# Altium PCB FMC_DAC_125M_14B_16CHA.PcbDoc (part 8 of 9) (continued)
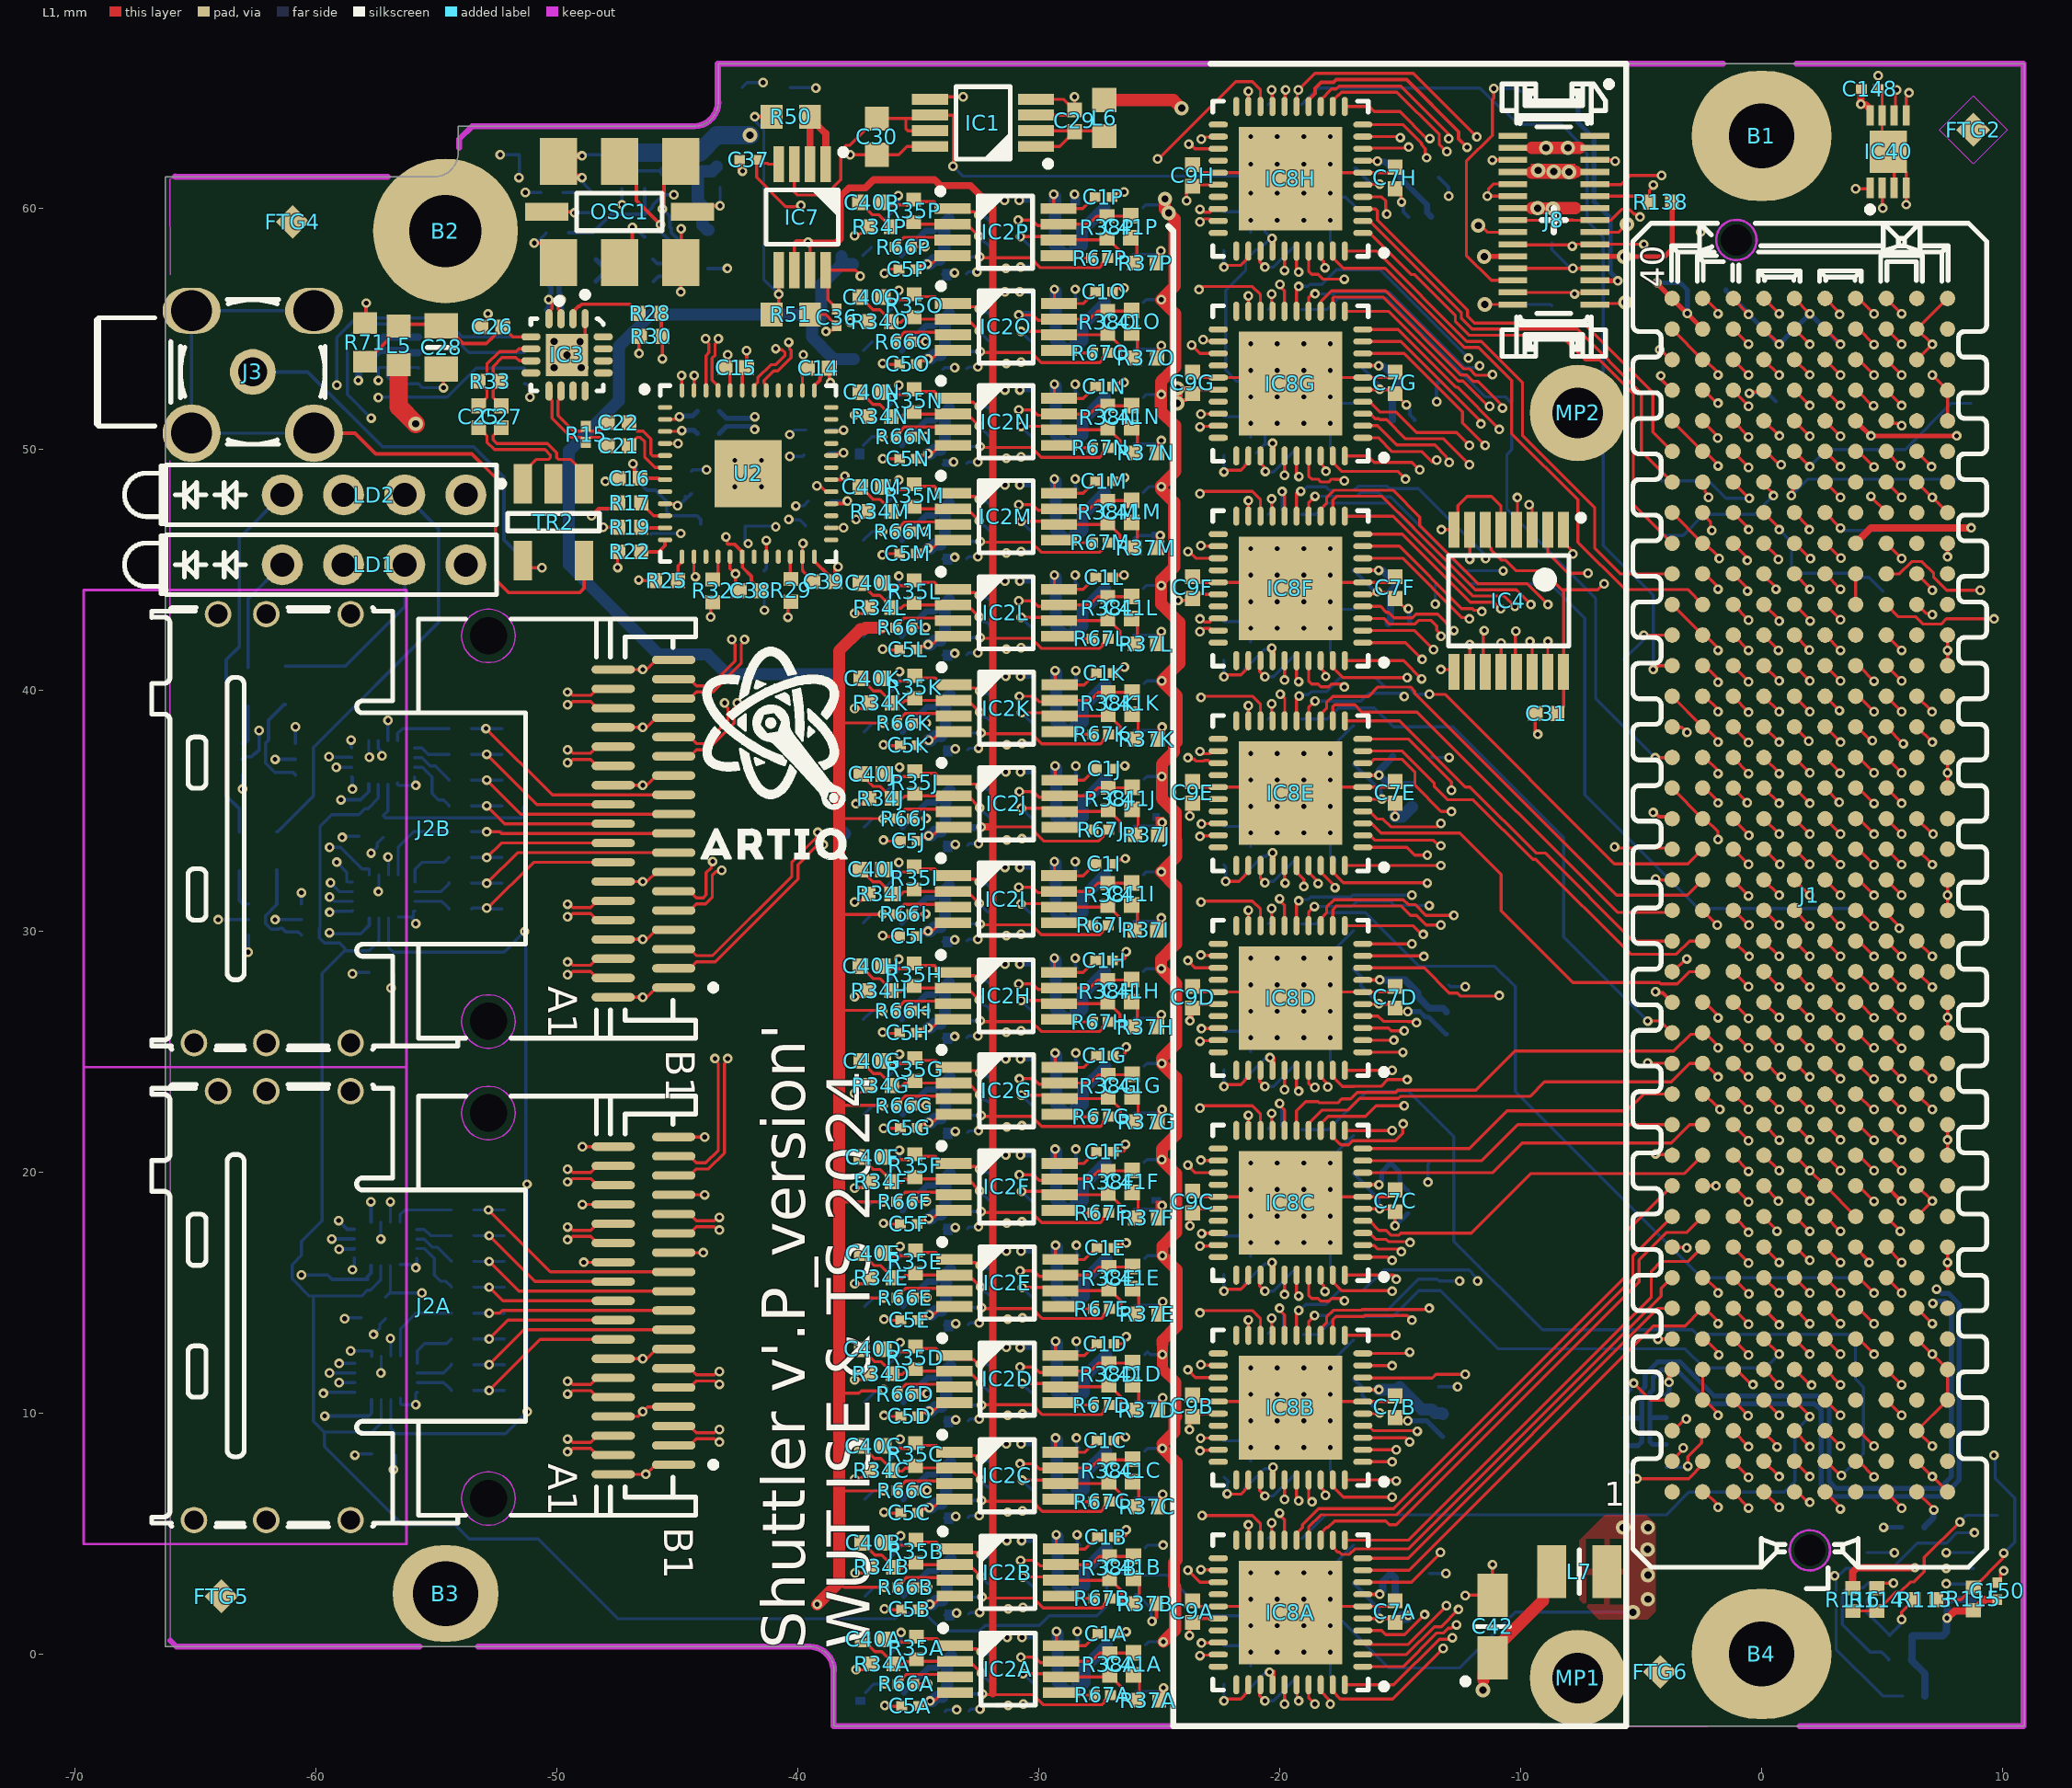
[diagram p0: L1 view]
## Nets (pads, with @x,y where several pads share a name; then routed paths per layer and width w, separated by ;. In a path a pad name is that pad's centre, name@x,y a point inside that pad or via, vN(x,y) a via of type N, cw(c..) or ccw(c..) an arc to the next point about the centre after c; other vN are vias at no path point) (continued)
NetIC2H_5: IC2H.5 R67H.2 | length 1.4
  L1 w0.127: IC2H.5@-29.099,26.309 -29.023,26.233 R67H.2@-27.779,26.233
NetIC2I_3: IC2I.3 R66I.2 | length 2.1
  L1 w0.127: R66I.2@-35.932,30.703 -35.912,30.703 -35.765,30.85 -35.765,30.919 -35.581,31.104 -34.199,31.104 IC2I.3@-34.052,30.957
NetIC2I_5: IC2I.5 R67I.2 | length 1.4
  L1 w0.127: IC2I.5@-29.099,30.322 -29.023,30.246 R67I.2@-27.779,30.246
NetIC2J_3: IC2J.3 R66J.2 | length 2.1
  L1 w0.127: R66J.2@-35.906,34.666 -35.886,34.666 -35.74,34.812 -35.74,34.882 -35.555,35.066 -34.174,35.066 IC2J.3@-34.027,34.92
NetIC2J_5: IC2J.5 R67J.2 | length 1.4
  L1 w0.127: IC2J.5@-29.074,34.285 -28.998,34.209 R67J.2@-27.753,34.209
NetIC2K_3: IC2K.3 R66K.2 | length 2.1
  L1 w0.127: R66K.2@-35.906,38.628 -35.886,38.628 -35.74,38.775 -35.74,38.844 -35.555,39.029 -34.174,39.029 IC2K.3@-34.027,38.882
NetIC2K_5: IC2K.5 R67K.2 | length 1.4
  L1 w0.127: IC2K.5@-29.074,38.247 -28.998,38.171 R67K.2@-27.753,38.171
NetIC2L_3: IC2L.3 R66L.2 | length 2.1
  L1 w0.127: R66L.2@-35.932,42.591 -35.912,42.591 -35.765,42.737 -35.765,42.807 -35.581,42.991 -34.199,42.991 IC2L.3@-34.052,42.845
NetIC2L_5: IC2L.5 R67L.2 | length 1.4
  L1 w0.127: IC2L.5@-29.099,42.21 -29.023,42.133 R67L.2@-27.779,42.133
NetIC2M_3: IC2M.3 R66M.2 | length 2.1
  L1 w0.127: R66M.2@-35.932,46.578 -35.912,46.578 -35.765,46.725 -35.765,46.794 -35.581,46.979 -34.199,46.979 IC2M.3@-34.052,46.832
NetIC2M_5: IC2M.5 R67M.2 | length 1.4
  L1 w0.127: IC2M.5@-29.099,46.197 -29.023,46.121 R67M.2@-27.779,46.121
NetIC2N_3: IC2N.3 R66N.2 | length 2.1
  L1 w0.127: R66N.2@-35.932,50.515 -35.912,50.515 -35.765,50.662 -35.765,50.731 -35.581,50.916 -34.199,50.916 IC2N.3@-34.052,50.769
NetIC2N_5: IC2N.5 R67N.2 | length 1.4
  L1 w0.127: IC2N.5@-29.099,50.134 -29.023,50.058 R67N.2@-27.779,50.058
NetIC2O_3: IC2O.3 R66O.2 | length 2.1
  L1 w0.127: R66O.2@-35.932,54.453 -35.912,54.453 -35.765,54.599 -35.765,54.669 -35.581,54.853 -34.199,54.853 IC2O.3@-34.052,54.707
NetIC2O_5: IC2O.5 R67O.2 | length 1.4
  L1 w0.127: IC2O.5@-29.099,54.072 -29.023,53.995 R67O.2@-27.779,53.995
NetIC2P_3: IC2P.3 R66P.2 | length 2.1
  L1 w0.127: R66P.2@-35.957,58.39 -35.937,58.39 -35.791,58.536 -35.791,58.606 -35.606,58.79 -34.224,58.79 IC2P.3@-34.078,58.644
NetIC2P_5: IC2P.5 R67P.2 | length 1.4
  L1 w0.127: IC2P.5@-29.125,58.009 -29.049,57.932 R67P.2@-27.804,57.932
NetIC3_2: IC3.2 R28.2 | length 3.3
  L1 w0.145: IC3.2@-49.331,55.414 -49.331,55.706 -49.111,55.926 -49.064,55.926 -48.976,56.013 -46.987,56.013 -46.845,55.871 -46.825,55.871 -46.607,55.654 R28.2@-46.607,55.634
NetIC5A_12: IC5A.12 R43A.2 | length 3.5
  L8 w0.127: IC5A.12@-56.492,12.357 -56.492,13.494 -55.846,14.14 R43A.2@-54.385,14.14
NetIC5A_13: IC5A.13 R42A.2 | length 2.1
  L8 w0.127: IC5A.13@-55.792,12.057 -55.792,12.581 -55.493,12.88 -54.577,12.88 R42A.2@-54.385,13.071
NetIC5A_14: IC5A.14 R41A.2 | length 1.6
  L8 w0.127: IC5A.14@-55.792,11.657 -54.711,11.657 -54.385,11.983 R41A.2@-54.385,12.003 R41A.2@-54.385,12.023
NetIC5A_15: IC5A.15 R40A.2 | length 1.6
  L8 w0.127: IC5A.15@-55.792,11.257 -54.708,11.257 -54.631,11.18 -54.611,11.18 -54.385,10.954 R40A.2@-54.385,10.934
NetIC5B_12: IC5B.12 R43B.2 | length 3.5
  L8 w0.127: IC5B.12@-56.592,32.336 -56.592,33.473 -55.946,34.119 R43B.2@-54.485,34.119
NetIC5B_13: IC5B.13 R42B.2 | length 2.1
  L8 w0.127: IC5B.13@-55.892,32.036 -55.892,32.56 -55.593,32.859 -54.677,32.859 R42B.2@-54.485,33.051
NetIC5B_14: IC5B.14 R41B.2 | length 1.6
  L8 w0.127: IC5B.14@-55.892,31.636 -54.811,31.636 -54.485,31.962 R41B.2@-54.485,31.982 R41B.2@-54.485,32.002
NetIC5B_15: IC5B.15 R40B.2 | length 1.6
  L8 w0.127: IC5B.15@-55.892,31.236 -54.808,31.236 -54.731,31.16 -54.711,31.16 -54.485,30.933 R40B.2@-54.485,30.913
NetIC6A_12: IC6A.12 R47A.2 | length 2.5
  L8 w0.127: IC6A.12@-56.514,17.921 -56.514,18.221 -56.307,18.427 R47A.2@-54.385,18.427
NetIC6A_13: IC6A.13 R46A.2 | length 1.5
  L8 w0.127: IC6A.13@-55.814,17.621 -55.503,17.621 -55.24,17.358 R46A.2@-54.385,17.358
NetIC6A_14: IC6A.14 R45A.2 | length 1.8
  L8 w0.127: IC6A.14@-55.814,17.221 -55.503,17.221 -55.16,16.878 -54.954,16.878 R45A.2@-54.416,16.341 ; R45A.2@-54.416,16.321 R45A.2@-54.416,16.341 ; R45A.2@-54.385,16.289 -54.385,16.309 R45A.2@-54.416,16.341
NetIC6A_15: IC6A.15 R44A.2 | length 2.5
  L8 w0.127: IC6A.15@-55.814,16.821 -55.496,16.821 -55.089,16.414 -55.089,15.728 -54.827,15.467 -54.611,15.467 -54.385,15.241 R44A.2@-54.385,15.221
NetIC6B_12: IC6B.12 R47B.2 | length 2.5
  L8 w0.127: IC6B.12@-56.614,37.9 -56.614,38.2 -56.407,38.406 R47B.2@-54.485,38.406
NetIC6B_13: IC6B.13 R46B.2 | length 1.5
  L8 w0.127: IC6B.13@-55.914,37.6 -55.603,37.6 -55.34,37.337 R46B.2@-54.485,37.337
NetIC6B_14: IC6B.14 R45B.2 | length 1.8
  L8 w0.127: IC6B.14@-55.914,37.2 -55.603,37.2 -55.26,36.858 -55.054,36.858 R45B.2@-54.516,36.32 ; R45B.2@-54.516,36.3 R45B.2@-54.516,36.32 ; R45B.2@-54.485,36.269 -54.485,36.289 R45B.2@-54.516,36.32
NetIC6B_15: IC6B.15 R44B.2 | length 2.5
  L8 w0.127: IC6B.15@-55.914,36.8 -55.596,36.8 -55.189,36.393 -55.189,35.707 -54.927,35.446 -54.711,35.446 -54.485,35.22 R44B.2@-54.485,35.2
NetIC7_1: IC7.1 IC7.2 R50.1 | length 4.2
  L1 w0.3: IC7.2@-39.496,61.83 -39.496,63.792 R50.1@-39.491,63.797 -39.491,63.747 -38.846,63.102 IC7.1@-38.846,61.83
NetIC7_5: IC7.5 R50.2 R51.2 | length 10.3
  L1 w0.127: v1(-41.791,63.797) R50.2@-41.091,63.797
  L1 w0.145: R51.2@-41.091,55.588 -40.796,55.883 v1(-40.796,56.43) IC7.5@-40.796,57.247
  L8 w0.127: v1(-41.791,63.797) -41.791,63.639 -41.418,63.266 -41.418,57.052 v1(-40.796,56.43)
NetIC8A_16: IC8A.16 R11A.2 | length 2.4
  L1 w0.127: v1(-20.005,5.846) -20.005,5.772 -19.802,5.569 IC8A.16@-19.802,4.722
  L8 w0.127: v1(-20.005,5.846) -20.005,5.772 -19.794,5.56 -19.794,4.829 R11A.2@-19.762,4.797
NetIC8A_32: IC8A.32 R4A.1 | length 2
  L1 w0.127: v1(-22.315,-1.944) -22.239,-1.868 -21.617,-1.868 -21.302,-1.553 IC8A.32@-21.302,-1.278
  L8 w0.127: R4A.1@-22.327,-1.253 -22.315,-1.265 v1@-22.315,-1.844
NetIC8A_33: IC8A.33 R3A.1 | length 2.7
  L1 w0.127: IC8A.33@-20.802,-1.278 -20.826,-1.301 -20.826,-1.734 v1(-20.615,-1.944)
  L8 w0.127: v1@-20.615,-1.844 v1(-20.615,-1.944) ; v1@-20.589,-1.844 -20.615,-1.87 v1(-20.615,-1.944) ; R3A.1@-19.315,-0.944 -19.315,-0.994 -20.265,-1.944 v1(-20.615,-1.944)
NetIC8B_16: IC8B.16 R11B.2 | length 2.4
  L1 w0.127: v1(-20.005,14.346) -20.005,14.272 -19.802,14.069 IC8B.16@-19.802,13.222
  L8 w0.127: v1(-20.005,14.346) -20.005,14.272 -19.841,14.108 -19.841,13.377 R11B.2@-19.762,13.297
NetIC8B_32: IC8B.32 R4B.1 | length 2
  L1 w0.127: v1@-22.138,6.628 -22.134,6.632 -21.617,6.632 -21.302,6.947 IC8B.32@-21.302,7.222
  L8 w0.127: R4B.1@-22.308,7.323 -22.119,7.134 -22.181,7.072 v1(-22.181,6.65)
NetIC8B_33: IC8B.33 R3B.1 | length 2.7
  L1 w0.127: IC8B.33@-20.802,7.222 -20.826,7.199 -20.826,6.766 v1(-20.615,6.556)
  L8 w0.127: v1@-20.615,6.656 v1(-20.615,6.556) ; v1@-20.589,6.656 -20.615,6.63 v1(-20.615,6.556) ; R3B.1@-19.315,7.556 -19.315,7.506 -20.265,6.556 v1(-20.615,6.556)
NetIC8C_16: IC8C.16 R11C.2 | length 2.4
  L1 w0.127: v1(-20.005,22.846) -20.005,22.772 -19.802,22.569 IC8C.16@-19.802,21.722
  L8 w0.127: v1(-20.005,22.846) -20.005,22.772 -19.911,22.678 -19.911,21.902 -19.807,21.797 R11C.2@-19.762,21.797
NetIC8C_32: IC8C.32 R4C.1 | length 2
  L1 w0.127: v1(-22.315,15.056) -22.239,15.132 -21.617,15.132 -21.302,15.447 IC8C.32@-21.302,15.722
  L8 w0.127: R4C.1@-22.327,15.747 -22.315,15.735 v1@-22.315,15.156
NetIC8C_33: IC8C.33 R3C.1 | length 2.7
  L1 w0.127: IC8C.33@-20.802,15.722 -20.826,15.699 -20.826,15.266 v1(-20.615,15.056)
  L8 w0.127: v1@-20.615,15.156 v1(-20.615,15.056) ; v1@-20.589,15.156 -20.615,15.13 v1(-20.615,15.056) ; R3C.1@-19.315,16.056 -19.315,16.006 -20.265,15.056 v1(-20.615,15.056)
NetIC8D_16: IC8D.16 R11D.2 | length 2.4
  L1 w0.127: v1(-20.005,31.346) -20.005,31.272 -19.802,31.069 IC8D.16@-19.802,30.222
  L8 w0.127: v1(-20.005,31.346) -20.005,31.272 -19.794,31.06 -19.794,30.329 R11D.2@-19.762,30.297
NetIC8D_32: IC8D.32 R4D.1 | length 2
  L1 w0.127: v1(-22.315,23.556) -22.239,23.632 -21.617,23.632 -21.302,23.947 IC8D.32@-21.302,24.222
  L8 w0.127: R4D.1@-22.327,24.247 -22.315,24.235 v1@-22.315,23.656
NetIC8D_33: IC8D.33 R3D.1 | length 2.7
  L1 w0.127: IC8D.33@-20.802,24.222 -20.826,24.199 -20.826,23.766 v1(-20.615,23.556)
  L8 w0.127: v1@-20.615,23.656 v1(-20.615,23.556) ; v1@-20.589,23.656 -20.615,23.63 v1(-20.615,23.556) ; R3D.1@-19.315,24.556 -19.315,24.506 -20.265,23.556 v1(-20.615,23.556)
NetIC8E_16: IC8E.16 R11E.2 | length 2.3
  L1 w0.127: v1(-19.98,39.833) -19.96,39.833 -19.794,39.666 -19.794,38.731 IC8E.16@-19.802,38.722
  L8 w0.127: v1(-19.98,39.833) -19.96,39.833 -19.794,39.666 -19.794,38.829 R11E.2@-19.762,38.797
NetIC8E_32: IC8E.32 R4E.1 | length 2.1
  L1 w0.127: v1(-22.247,32.06) -21.69,32.06 -21.302,32.447 IC8E.32@-21.302,32.722
  L8 w0.127: R4E.1@-22.327,32.747 -22.247,32.668 v1(-22.247,32.06)
NetIC8E_33: IC8E.33 R3E.1 | length 2.6
  L1 w0.127: IC8E.33@-20.802,32.722 -20.802,32.197 v1(-20.615,32.01)
  L8 w0.127: v1(-20.615,32.01) -20.563,32.062 -20.259,32.062 -19.315,33.006 R3E.1@-19.315,33.056
NetIC8F_16: IC8F.16 R11F.2 | length 2.1
  L1 w0.127: v1(-19.905,48.24) -19.905,48.167 -19.802,48.063 IC8F.16@-19.802,47.222
  L8 w0.127: v1(-19.905,48.24) -19.905,47.441 R11F.2@-19.762,47.297
NetIC8F_32: IC8F.32 R4F.1 | length 2
  L1 w0.127: v1(-22.315,40.556) -22.239,40.632 -21.617,40.632 -21.302,40.947 IC8F.32@-21.302,41.222
  L8 w0.127: R4F.1@-22.327,41.247 -22.315,41.235 v1@-22.315,40.656
NetIC8F_33: IC8F.33 R3F.1 | length 2.7
  L1 w0.127: IC8F.33@-20.802,41.222 -20.826,41.199 -20.826,40.766 v1(-20.615,40.556)
  L8 w0.127: v1@-20.615,40.656 v1(-20.615,40.556) ; v1@-20.589,40.656 -20.615,40.63 v1(-20.615,40.556) ; R3F.1@-19.315,41.506 -20.265,40.556 v1(-20.615,40.556)
NetIC8G_16: IC8G.16 R11G.2 | length 2.3
  L1 w0.127: v1(-19.996,56.838) -19.996,56.764 -19.802,56.571 IC8G.16@-19.802,55.722
  L8 w0.127: v1(-19.996,56.838) -19.996,56.764 -19.794,56.562 -19.794,55.829 R11G.2@-19.762,55.797
NetIC8G_32: IC8G.32 R4G.1 | length 2
  L1 w0.127: v1(-22.315,49.056) -22.239,49.132 -21.617,49.132 -21.302,49.447 IC8G.32@-21.302,49.722
  L8 w0.127: R4G.1@-22.327,49.747 -22.315,49.735 v1@-22.315,49.156
NetIC8G_33: IC8G.33 R3G.1 | length 2.5
  L1 w0.127: IC8G.33@-20.802,49.722 -20.802,49.414 -20.646,49.258 -20.646,49.129 v1(-20.594,49.077)
  L8 w0.127: v1(-20.594,49.077) -20.562,49.077 -20.541,49.056 -20.265,49.056 -19.315,50.006 R3G.1@-19.315,50.056
NetIC8H_16: IC8H.16 R11H.2 | length 1.3
  L1 w0.127: IC8H.16@-19.802,64.222 -19.78,64.245 -19.78,64.884 v1(-19.758,64.906)
  L8 w0.127: R11H.2@-19.762,64.297 -19.758,64.302 v1(-19.758,64.906)
NetIC8H_32: IC8H.32 R4H.1 | length 2
  L1 w0.127: v1(-22.315,57.556) -22.239,57.632 -21.617,57.632 -21.302,57.947 IC8H.32@-21.302,58.222
  L8 w0.127: R4H.1@-22.327,58.247 -22.315,58.235 v1@-22.315,57.656
NetIC8H_33: IC8H.33 R3H.1 | length 2.7
  L1 w0.127: IC8H.33@-20.802,58.222 -20.826,58.199 -20.826,57.766 v1(-20.615,57.556)
  L8 w0.127: v1@-20.615,57.656 v1(-20.615,57.556) ; v1@-20.589,57.656 -20.615,57.63 v1(-20.615,57.556) ; R3H.1@-19.315,58.556 -19.315,58.506 -20.265,57.556 v1(-20.615,57.556)
NetIC38_1: IC38.1 IC39.1 R111.1 R113.1 | length 143.7
  L1 w0.135: v1(5.813,1.431) 5.813,1.733 6.315,2.236 R113.1@6.315,2.256
  L7 w0.135: v1(-59.138,52.655) -60.598,52.655 -62.449,50.804 -62.449,50.086 -65.326,47.209 -65.326,37.21 -65.115,36.999 -65.115,27.547 -63.566,25.998 -63.566,24.959 -64.81,23.716 -64.81,23.046 -64.809,20.402 -64.809,13.289 -58.443,6.922 -54.364,6.922 -53.494,7.792 -52.266,7.792 -51.368,6.895 -51.368,5.356 -48.677,2.664 -36.873,2.664 -36.578,2.369 -36.508,2.369 -36.496,2.357 -35.607,2.357 -34.415,1.165 -32.451,1.165 -31.956,1.66 -31.956,2.196 -31.664,2.488 -30.429,2.488 -30.422,2.481 -30.365,2.481 -29.632,1.747 -23.25,1.747 -22.158,0.655 -15.135,0.655 -14.311,-0.169 -12.973,-0.169 -11.373,1.431 -8.715,1.431 -7.364,2.782 -4.098,2.782 -3.276,3.604 0.57,3.604 0.919,3.953 0.919,4.748 1.552,5.381 2.448,5.381 3.081,4.748 3.081,3.852 2.636,3.407 2.636,2.634 3.839,1.431 v1(5.813,1.431)
  L8 w0.135: v1(-59.138,52.655) -59.138,54.64 -58.326,55.451 -54.726,55.451 -53.936,54.661 IC38.1@-51.345,54.661 ; IC39.1@4.385,2.256 4.385,1.706 R111.1@5.315,0.776 ; R111.1@5.315,0.756 R111.1@5.315,0.776 ; v1(5.813,1.431) 5.762,1.38 5.762,1.223 R111.1@5.315,0.776
NetIC38_2: IC38.2 IC39.2 R112.1 R114.1 | length 140.7
  L1 w0.135: R114.1@4.785,2.726 5.001,2.942 v1(5.474,2.942)
  L7 w0.135: v1(-57.713,51.289) -57.721,51.281 -57.721,50.756 -59.262,49.214 -61.939,49.214 -64.809,46.344 -64.809,37.423 -64.599,37.213 -64.599,27.761 -62.918,26.08 -62.918,21.563 -64.293,20.189 -64.293,13.503 -58.567,7.777 -57.783,7.777 -57.201,8.359 -51.915,8.359 -46.737,3.18 -39.949,3.18 -37.773,5.356 -35.8,5.356 -35.721,5.435 -34.695,5.435 -34.211,4.95 -32.262,4.95 -31.995,5.217 -29.994,5.217 -29.615,5.596 -24.103,5.596 -23.116,4.609 -7.943,4.609 -6.78,5.772 -2.963,5.772 -2.855,5.664 0.862,5.664 1.095,5.897 2.72,5.897 4.369,4.249 4.369,4.048 v1(5.474,2.942)
  L8 w0.135: v1(-57.713,51.289) -58.698,52.274 -58.698,54.581 -58.09,55.189 -54.834,55.189 -53.656,54.011 IC38.2@-51.345,54.011 ; R112.1@5.285,-0.244 5.285,-0.224 5.063,-0.002 5.043,-0.002 4.968,0.072 4.502,0.072 3.349,1.226 3.349,2.534 3.563,2.748 4.228,2.748 IC39.2@4.385,2.906 4.421,2.942 v1(5.474,2.942)
NetJ3_2: J3.2 TR2.4 | length 32.9
  L1 w0.145: J3.2@-60.085,50.664 -58.378,50.664 -57.518,49.804 -53.533,49.804 -52.552,48.823 -52.552,44.597 -52.005,44.05 -49.054,44.05 -48.876,44.228 TR2.4@-48.876,45.38
  L8 w0.127: J3.2@-60.085,50.664 J3.2@-65.165,50.664 J3.2@-65.165,55.744 J3.2@-60.085,55.744
NetJ8_25: J8.25 TP43.1 | length 9.5
  L1 w0.2: J8.25@-6.925,57.004 -6.914,56.993 -5.984,56.993 v1(-5.972,56.981)
  L8 w0.2: TP43.1@-7.625,64.849 -7.625,63.561 -6.957,62.893 -6.957,60.268 -6.284,59.595 -6.284,57.347 -5.972,57.035 v1(-5.972,56.981)
NetJ8_26: J8.26 TP44.1 | length 10.9
  L1 w0.127: v1(-11.118,64.968) -11.118,64.571 -11.175,64.514 -11.175,63.026 -12.254,61.948 -12.254,58.039 -11.219,57.004 J8.26@-10.325,57.004
  L8 w0.127: v1(-11.118,64.968) -10.13,64.968 TP44.1@-10.012,64.849
NetLD1_1: LD1.1 R52.1 | length 4.9
  L8 w0.135: R52.1@-62.821,40.939 -62.821,43.783 LD1.1@-61.399,45.204
NetLD1_3: LD1.3 R53.1 | length 7.7
  L8 w0.135: R53.1@-61.271,41.003 -58.778,41.003 -56.319,43.462 LD1.3@-56.319,45.204
NetLD2_1: LD2.1 R58.1 | length 15.2
  L8 w0.135: R58.1@-63.176,34.107 -63.176,35.069 -63.727,35.619 -63.727,41.259 -63.176,41.809 -63.176,46.327 LD2.1@-61.399,48.104
NetLD2_3: LD2.3 R59.1 | length 17.4
  L8 w0.135: R59.1@-61.627,34.132 -61.577,34.132 -60.107,35.602 -60.107,37.619 -54.927,42.799 -54.927,46.713 LD2.3@-56.319,48.104
NetOSC1_1: OSC1.1 R10.1 | length 2.1
  L1 w0.127: v1(-50.943,58.553) -50.656,58.553 -49.945,57.841 OSC1.1@-49.945,57.749
  L8 w0.127: v1(-50.943,58.553) -50.861,58.553 -50.451,58.963 R10.1@-50.451,58.983
NetOSC1_2: OSC1.2 R8.2 | length 2.3
  L1 w0.145: OSC1.2@-47.405,57.749 -46.87,58.285 v1(-46.87,59.202)
  L8 w0.145: v1(-46.87,59.202) -46.821,59.153 -46.722,59.153 -46.377,58.809 R8.2@-46.357,58.809
NetOSC1_4: OSC1.4 R9.1 | length 6.1
  L1 w0.152: v3(-45.622,59.972) -45.622,60.039 -45.564,60.098 -45.564,61.251 OSC1.4@-44.865,61.949
  L8 w0.152: R9.1@-45.998,56.969 -45.792,57.175 -45.585,57.175 -45.001,57.759 -45.001,58.731 -45.25,58.98 -45.25,59.171 -45.3,59.22 -45.3,59.65 v3(-45.622,59.972)
NetOSC1_5: OSC1.5 R69.1 | length 5.8
  L1 w0.152: OSC1.5@-47.405,61.949 -46.706,61.251 -46.706,60.323 v3(-45.703,59.321)
  L8 w0.152: R69.1@-46.008,57.874 -45.835,57.701 -45.458,57.701 -45.29,57.869 -45.29,58.616 -45.656,58.982 -45.656,59.273 v3(-45.703,59.321)
NetR17_2: R17.2 U2.10 | length 1.2
  L1 w0.145: R17.2@-46.501,47.772 -46.501,47.752 -45.985,47.236 U2.10@-45.515,47.236
NetR19_2: R19.2 U2.11 | length 1
  L1 w0.145: R19.2@-46.501,46.756 -46.481,46.736 U2.11@-45.515,46.736
NetR22_2: R22.2 U2.12 | length 1.3
  L1 w0.145: R22.2@-46.501,45.74 -45.773,45.74 -45.515,45.999 U2.12@-45.515,46.236
NetR25_2: R25.2 U2.13 | length 1.1
  L1 w0.145: R25.2@-44.977,44.546 -44.977,45.158 -44.815,45.321 U2.13@-44.815,45.536
NetR52_2: R52.2 T2.6 | length 1.7
  L8 w0.135: T2.6@-63.057,37.78 -62.953,37.78 -62.821,37.912 R52.2@-62.821,39.339
NetR53_2: R53.2 T2.3 | length 4.3
  L8 w0.135: R53.2@-61.271,39.403 -61.321,39.403 -61.97,38.754 -61.97,37.924 -62.098,37.796 -62.098,36.966 -61.715,36.584 -60.961,36.584 T2.3@-60.857,36.48
NetR58_2: R58.2 T1.6 | length 1.7
  L8 w0.135: R58.2@-63.176,32.507 -63.176,31.257 -63.044,31.125 T1.6@-62.803,31.125
NetR59_2: R59.2 T1.3 | length 4.1
  L8 w0.135: R59.2@-61.627,32.532 -61.627,31.109 -62.098,30.638 -62.098,30.311 -61.867,30.08 -61.54,30.08 -61.511,30.109 -61.399,30.109 -61.247,29.957 -60.736,29.957 T1.3@-60.603,29.825
P1V8A: C8A.1 C8B.1 C8C.1 C8D.1 C8E.1 C8F.1 C8G.1 C8H.1 IC8A.17 IC8B.17 IC8C.17 IC8D.17 IC8E.17 IC8F.17 IC8G.17 IC8H.17 J8.17 J8.18 L3.2 L5.2 R22.1 R25.1 R70.2 | length 161.4
  L1 w0.127: v1(-47.482,45.088) -47.482,45.699 R22.1@-47.441,45.74 ; v1(-46.607,44.57) -46.584,44.546 R25.1@-45.917,44.546 ; v1@-42.117,46.03 v1(-42.065,46.082) ; v1(-20.335,5.435) -20.335,4.755 IC8A.17@-20.302,4.722 ; v1(-20.335,13.935) -20.335,13.255 IC8B.17@-20.302,13.222 ; v1(-20.335,22.435) -20.335,21.755 IC8C.17@-20.302,21.722 ; v1(-20.335,30.935) -20.335,30.255 IC8D.17@-20.302,30.222 ; v1(-20.335,39.435) -20.335,38.755 IC8E.17@-20.302,38.722 ; v1(-20.335,47.935) -20.335,47.255 IC8F.17@-20.302,47.222 ; v1(-20.335,56.435) -20.335,55.755 IC8G.17@-20.302,55.722 ; v1(-20.335,64.906) -20.318,64.89 -20.318,64.239 IC8H.17@-20.302,64.222 ; v4(-11.763,59.281) -11.662,59.281 -11.386,59.004 J8.18@-10.325,59.004 ; J8.17@-6.925,59.004 -5.923,59.004 v4(-5.595,59.333)
  L1 w0.762: L5.2@-56.565,53.506 -56.497,53.438 -56.539,53.438 -56.565,53.412 -56.565,51.756 v4(-55.86,51.051)
  L3 w0.127: -21.069,32.752 -21.069,31.845 -20.615,31.391 -20.615,30.872 ; v1(-20.335,5.435) -20.345,5.435 -20.345,5.445 -21.215,6.315 -21.215,7.637 -20.615,8.237 -20.615,13.872 ; v1(-20.335,13.935) -20.387,13.882 -20.605,13.882 -20.615,13.872 ; v1(-20.335,22.435) -20.653,22.435 -20.715,22.372 ; v1(-20.335,30.935) -20.387,30.882 -20.605,30.882 -20.615,30.872 ; v1(-20.335,39.435) -20.387,39.382 -20.605,39.382 -20.615,39.372 -20.615,39.55 -21.215,40.15 -21.215,41.298 -20.715,41.798 -20.715,47.872 ; v1(-20.335,47.935) -20.653,47.935 -20.715,47.872 ; v1(-20.335,56.435) -20.408,56.435 -20.586,56.257 -20.649,56.257 ; v1(-20.335,64.906) -20.335,64.849 -20.715,64.469 -20.715,64.069 ; v4(-11.763,59.281) -10.66,59.281 ; v4(-5.595,59.333) -5.697,59.333 -5.993,59.037 -8.162,59.037 -8.406,59.281 -10.66,59.281 ; -20.715,22.372 -20.715,22.435 -20.715,22.717 -21.233,23.235 -21.233,24.971 -21.071,25.132 -21.02,25.132 -20.615,25.536 -20.615,30.872 ; -20.715,22.372 -20.715,16.106 -21.215,15.606 -21.215,14.846 -20.615,14.246 -20.615,13.872 ; -20.715,47.872 -20.715,47.935 -20.715,48.232 -21.241,48.759 -21.241,50.029 -20.542,50.728 -20.542,56.151 -20.649,56.257 ; -20.715,64.069 -20.715,58.606 -21.202,58.119 -21.202,56.81 -20.649,56.257 ; -20.715,64.069 -14.053,64.069 -13.607,64.514 -12.115,64.514 -10.456,62.855 -10.456,59.485 -10.66,59.281
  L3 w0.5: v4(-55.86,51.051) -49.753,51.051 -47.431,53.374 ; v1(-47.482,45.088) -47.441,45.047 -46.951,45.047 ; v1(-46.607,44.57) -46.951,44.913 -46.951,45.047 ; v1(-42.065,46.082) -42.386,45.761 -45.123,45.761 -45.679,46.318 ; v1@-20.335,64.849 -20.986,65.5 -36.951,65.5 -39.404,63.047 -40.059,63.047 -41.297,61.81 -41.297,59.92 -43.712,57.506 -43.712,56.178 -44.749,55.141 -46.609,55.141 -47.431,54.319 -47.431,53.374 ; -47.431,53.374 -47.431,53.011 -45.915,51.495 -45.915,49.51 -44.413,48.008 -44.413,47.417 -44.751,47.079 -45.102,47.079 -45.44,46.741 -45.44,46.557 -45.679,46.318 ; -46.951,45.047 -45.679,46.318
  L8 w0.127: v1(-42.065,46.082) -42.109,46.082 -42.183,46.157 L3.2@-42.183,46.807 -40.943,46.807 v1(-40.919,46.783) ; C8A.1@-20.477,4.797 -20.302,4.972 -20.335,5.005 v1(-20.335,5.435) ; C8C.1@-20.477,13.297 -20.302,13.472 -20.335,13.505 v1(-20.335,13.935) ; C8B.1@-20.477,21.797 -20.302,21.972 -20.335,22.005 v1(-20.335,22.435) ; C8D.1@-20.477,30.297 -20.302,30.472 -20.335,30.505 v1(-20.335,30.935) ; C8E.1@-20.477,38.797 -20.302,38.972 -20.335,39.005 v1(-20.335,39.435) ; C8F.1@-20.477,47.297 -20.302,47.472 -20.335,47.505 v1(-20.335,47.935) ; C8G.1@-20.477,55.797 -20.302,55.972 -20.335,56.005 v1(-20.335,56.435) ; C8H.1@-20.477,64.297 -20.335,64.44 v1(-20.335,64.906)
  L8 w0.152: R70.2@-43.72,57.502 -43.718,57.5 v3(-42.925,57.5)
P3V3: J1.c39 J1.d36 J1.d38 J1.d40 J8.21 J8.22 LD1.2 LD1.4 LD2.2 LD2.4 R7.1 R138.1 | length 168.8
  L1 w0.127: J1.d38@4.033,53.707 v1@4.665,53.075 ; J1.d40@4.033,56.247 v1@4.665,55.615 ; J1.c39@5.175,54.986 5.18,54.986 5.18,54.983 5.813,54.351 v1(5.815,54.351)
  L1 w0.2: v4(-11.513,57.992) -11.506,57.998 -10.331,57.998 J8.22@-10.325,58.004 ; J8.21@-6.925,58.004 -6.919,57.998 -5.717,57.998 v4(-5.711,57.992) -4.022,57.992 -3.715,58.298 R138.1@-3.715,60.256 ; J1.d36@4.033,51.167 4.033,51.048 4.531,50.55 v1(4.539,50.55) v1(8.096,50.55)
  L3 w0.2: v4(-11.513,57.992) v4(-5.711,57.992) ; v4@-5.711,58.054 -3.82,58.054 -3.141,57.374 2.908,57.374 v1(4.668,55.615) ; v1(-2.529,59.007) -2.491,58.968 -2.491,58.57 -2.358,58.436 ; v1(4.539,50.55) 5.074,51.085 5.074,52.669 v1(4.668,53.075) v1@5.777,54.183 ; v1@4.706,55.46 v1(5.815,54.351)
  L7 w0.2: LD2.2@-58.909,48.331 -58.909,48.61 LD2.2@-58.63,48.61 ; LD1.2@-58.859,45.204 LD2.2@-58.859,47.998 ; LD2.2@-58.859,48.104 -57.492,49.472 -56.887,49.472 ; LD1.4@-53.779,45.204 LD2.4@-53.779,48.104 -55.146,49.472 -56.887,49.472 ; v1(-2.529,59.007) -2.883,59.36 -3.024,59.36 -3.715,60.051 -4.135,60.051 -4.505,60.421 -4.555,60.421 -4.925,60.792 -4.925,61.232 -4.693,61.464 -4.693,64.094 -6.249,65.65 -40.408,65.65 -41.834,64.224 -42.37,64.224 -42.615,63.979 -42.615,63.173 -43.083,62.704 -49.274,62.704 -50.301,61.678 -50.301,58.206 -52.359,56.148 -53.092,56.148 -53.67,55.57 -55.126,55.57 -56.887,53.809 -56.887,49.472 ; v1(5.063,5.256) 5.825,5.256 7.664,7.095 7.664,11.635 8.142,12.113 8.142,45.709 8.096,45.755 v1(8.096,50.55)
  L8 w0.2: v1(5.063,5.256) R7.1@5.815,5.256
P3V3A: C9A.1 C9B.1 C9C.1 C9D.1 C9E.1 C9F.1 C9G.1 C9H.1 C33A.2 C33B.2 C35A.2 C35B.2 C275.1 IC5A.2 IC5B.2 IC6A.2 IC6B.2 IC8A.26 IC8B.26 IC8C.26 IC8D.26 IC8E.26 IC8F.26 IC8G.26 IC8H.26 J8.29 J8.30 L6.2 R48A.2 R48B.2 R49A.2 R49B.2 R60A.2 R60B.2 R61A.2 R61B.2 R62A.2 R62B.2 R63A.2 R63B.2 R64A.2 R64B.2 R65A.2 R65B.2 | length 221.9
  L1 w0.127: v5(-24.253,52.526) -23.835,52.526 C9G.1@-23.615,52.306 ; v1(-24.215,43.726) -23.797,43.726 -23.746,43.675 C9F.1@-23.615,43.806 ; v1(-23.867,60.309) -23.867,60.659 C9H.1@-23.615,60.911 ; v1(-23.746,0.77) -23.746,1.175 C9A.1@-23.615,1.306 ; v1(-23.746,9.308) -23.746,9.713 C9B.1@-23.615,9.844 ; v1(-23.733,34.77) -23.733,35.187 C9E.1@-23.615,35.306 ; v1(-23.725,17.77) -23.725,18.196 C9C.1@-23.615,18.306 ; v1(-23.725,26.275) -23.705,26.295 -23.705,26.716 C9D.1@-23.615,26.806 ; C9A.1@-23.615,1.256 -23.398,1.472 IC8A.26@-22.552,1.472 ; C9B.1@-23.615,9.756 -23.398,9.972 IC8B.26@-22.552,9.972 ; C9F.1@-23.615,43.756 -23.398,43.972 IC8F.26@-22.552,43.972 ; C9C.1@-23.59,18.281 -23.398,18.472 IC8C.26@-22.552,18.472 ; C9D.1@-23.59,26.781 -23.398,26.972 IC8D.26@-22.552,26.972 ; C9E.1@-23.59,35.281 -23.398,35.472 IC8E.26@-22.552,35.472 ; C9G.1@-23.59,52.281 -23.398,52.472 IC8G.26@-22.552,52.472 ; C9H.1@-23.59,60.781 -23.398,60.972 IC8H.26@-22.552,60.972 ; v4(-11.488,56.004) J8.30@-10.325,56.004 ; J8.29@-6.925,56.004 -6.882,56.047 -5.704,56.047 v4(-5.661,56.091)
  L1 w0.5: L6.2@-27.283,64.492 -24.412,64.492 v4(-24.071,64.151)
  L5 w0.127: v1(-51.231,10.05) -51.231,7.158 -46.989,2.916 -39.198,2.916 -37.635,1.353 -34.695,1.353 -34.607,1.265 -29.944,1.265 -29.599,1.609 -26.372,1.609 -25.656,0.893 -24.672,0.893 -24.549,0.77 v1(-23.746,0.77) ; v5(-24.253,52.526) -24.035,52.526 -22.377,54.184 -22.377,56.772 -21.139,58.011 -20.308,58.011 -19.869,58.449 -15.487,58.449 -13.081,56.043 -11.488,56.043 -11.484,56.047 -5.704,56.047 v4(-5.661,56.091)
  L3 w0.127: v1(-55.603,14.983) -55.603,15.73 -54.625,16.707 -54.625,19.29 -54.42,19.496 v1(-51.24,19.496)
  L3 w0.5: v1(-24.215,43.726) -24.14,43.8 -22.327,43.8 ; v5@-24.173,52.268 -22.67,52.268 -22.377,51.975 ; v4(-24.071,64.151) -23.785,63.864 -23.408,63.864 -22.377,62.834 -22.377,60.485 ; v1@-23.893,60.404 -23.519,60.778 -22.67,60.778 -22.377,60.485 ; v1(-23.746,0.77) -23.231,1.285 -22.808,1.285 -22.515,1.578 -22.515,5.857 -22.758,6.1 -22.758,7.14 -22.327,7.571 -22.327,9.547 ; v1(-23.746,9.308) -23.507,9.547 -22.327,9.547 ; v1(-23.733,34.77) -23.733,34.783 -23.419,35.097 -22.377,35.097 -22.327,35.047 ; v1(-23.725,17.77) -23.733,17.778 -23.733,17.783 -23.149,18.367 -22.327,18.367 ; v1(-23.725,26.275) -23.732,26.283 -23.468,26.547 -22.327,26.547 ; -22.377,51.975 -22.377,50.029 -23.077,49.329 -23.077,48.832 -22.327,48.082 -22.327,43.8 ; -22.377,51.975 -22.377,56.46 -23.077,57.16 -23.077,58.074 -22.377,58.774 -22.377,60.485 ; -22.327,9.547 -22.327,14.175 -23.061,14.909 -23.061,15.323 -22.327,16.058 -22.327,18.367 ; -22.327,18.367 -22.327,22.603 -23.077,23.353 -23.077,23.86 -22.327,24.61 -22.327,26.547 ; -22.327,26.547 -22.327,31.077 -22.824,31.574 -22.824,33.05 -22.327,33.547 -22.327,35.047 ; -22.327,35.047 -22.327,39.632 -23.077,40.382 -23.077,40.95 -22.327,41.7 -22.327,43.8
  L8 w0.127: C35A.2@-57.114,14.81 C35A.2@-56.941,14.983 ; IC6B.2@-57.014,36.1 -57.014,34.989 C35B.2@-57.214,34.789 -57.124,34.699 -51.46,34.699 -51.386,34.774 -51.386,35.155 R62B.2@-51.34,35.2 ; IC5B.2@-56.992,30.536 -56.992,29.324 C33B.2@-56.792,29.124 -52.198,29.124 v1(-51.34,29.982) ; IC6A.2@-56.914,16.121 -56.914,15.01 C35A.2@-56.941,14.983 ; IC5A.2@-56.892,10.557 -56.892,9.344 C33A.2@-56.692,9.145 -52.136,9.145 v1(-51.231,10.05) -51.231,10.925 R48A.2@-51.24,10.934 R49A.2@-51.24,12.003 R60A.2@-51.24,13.071 R61A.2@-51.24,14.14 R62A.2@-51.24,15.221 R63A.2@-51.24,16.289 R64A.2@-51.24,17.358 R65A.2@-51.24,18.427 v1(-51.24,19.496) -51.29,19.546 -51.29,29.932 v1(-51.34,29.982) ; v1(-55.603,14.983) C35A.2@-56.941,14.983 ; R65B.2@-51.34,38.406 R64B.2@-51.34,37.337 R63B.2@-51.34,36.269 R62B.2@-51.34,35.2 ; v4(-11.488,56.004) -8.764,56.004 C275.1@-8.715,55.956 ; v1(-51.34,29.982) R48B.2@-51.34,30.913 R49B.2@-51.34,31.982 R60B.2@-51.34,33.051 R61B.2@-51.34,34.119 R62B.2@-51.34,35.2
  other v5: -24.253,51.904